# Altium PCB UZ_A_MAX11331_Adapter.PcbDoc (part 1 of 2)
Units mm, origin at the board's own origin, x right, y up, seen from the top; angles counter-clockwise.
Board outline 100 x 100 mm, 4 copper layers (Top Layer, GND, VCC, Bottom Layer), stack 1.587 mm thick; 150 components, 147 nets, 572 pads, 201 vias.
Unrouted connection lines stored in the file: 121.
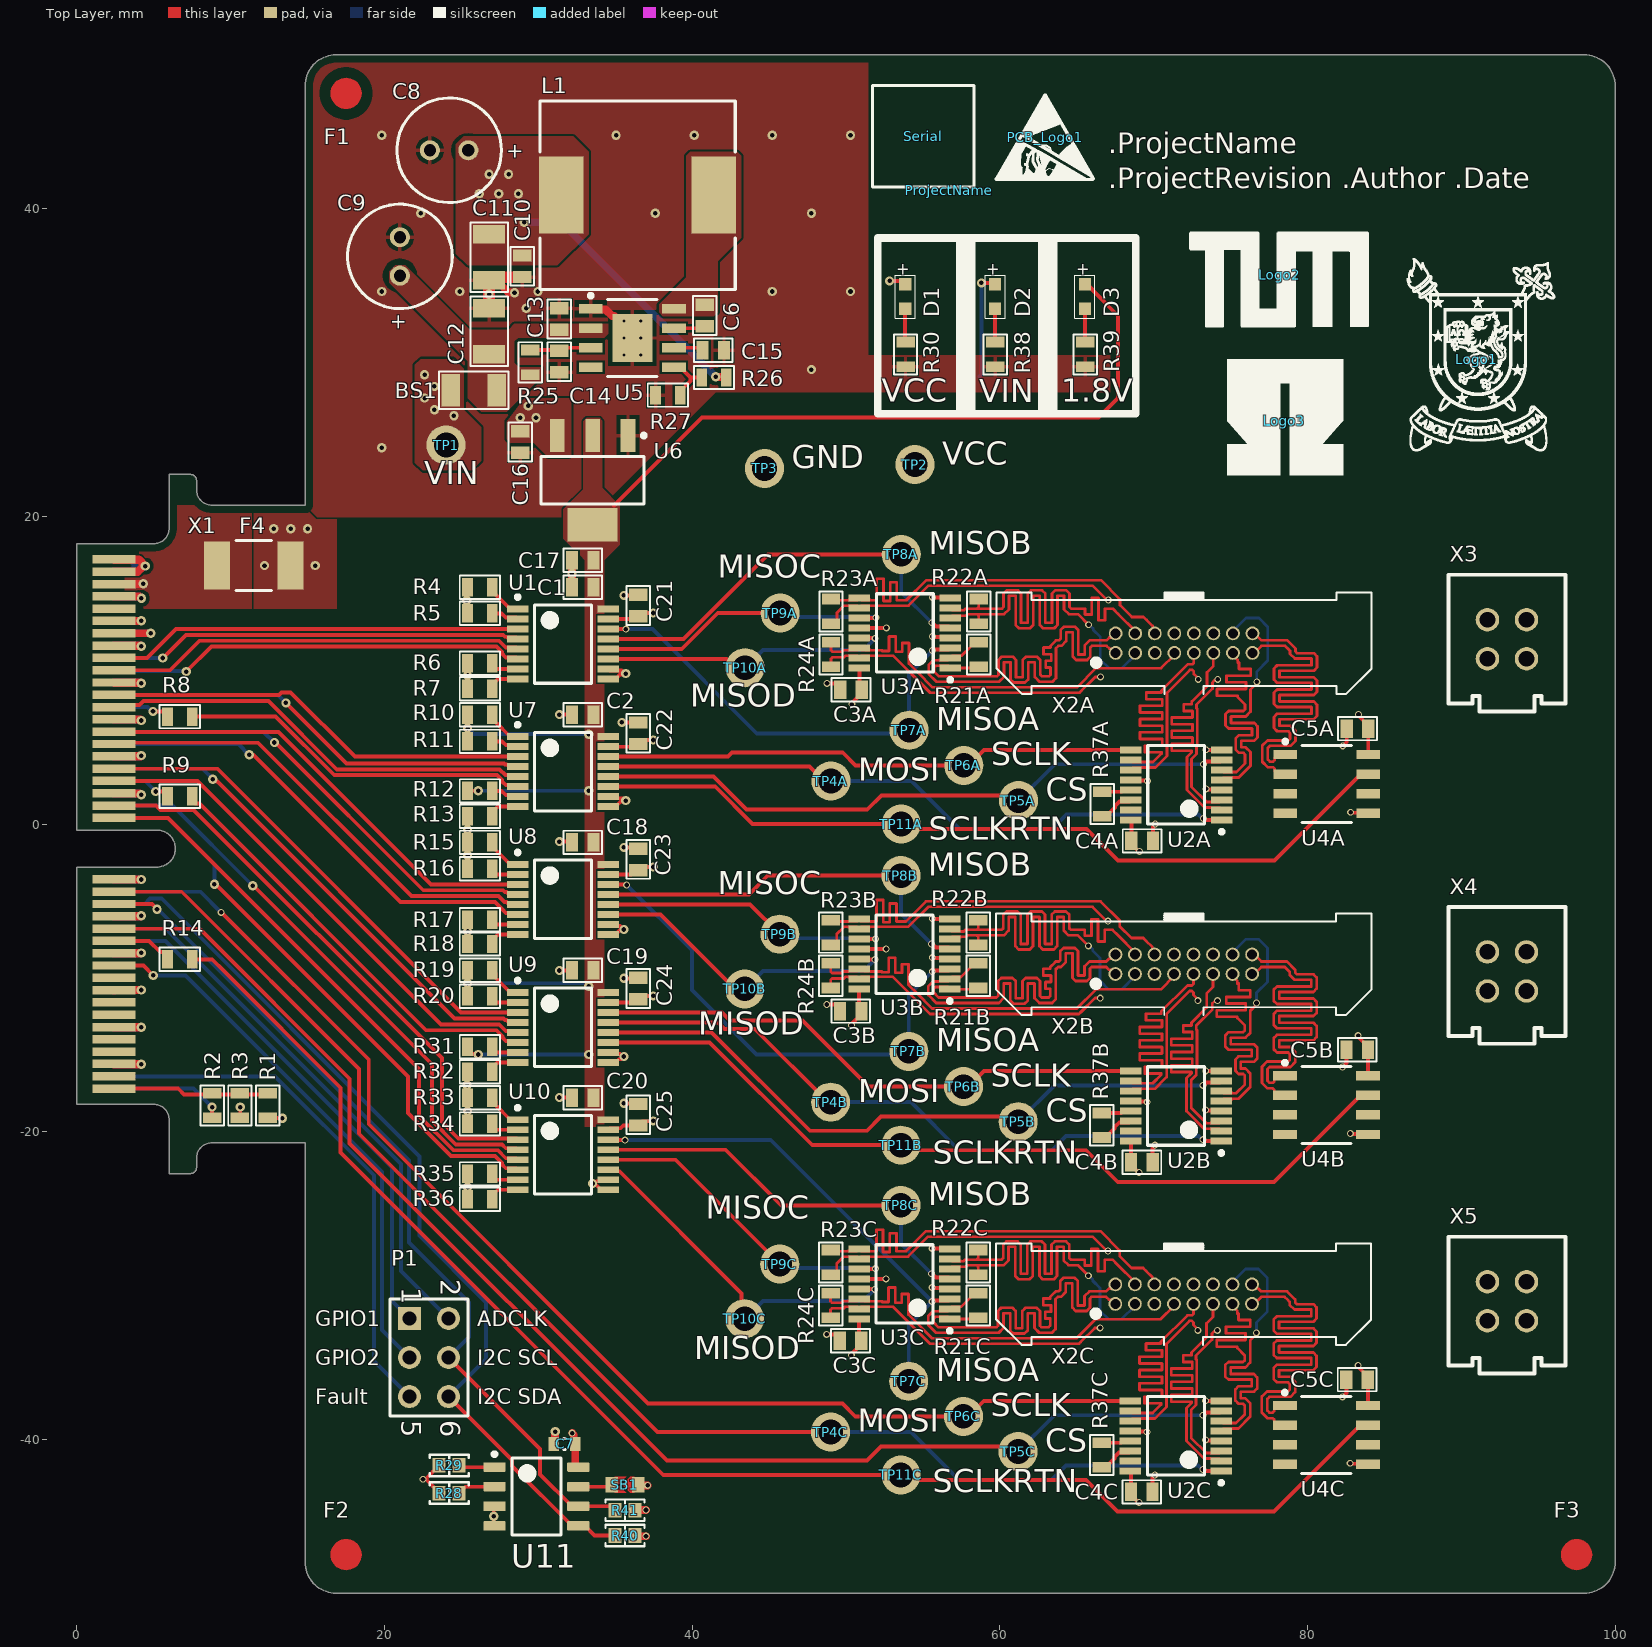
[diagram p0: Top Layer view]
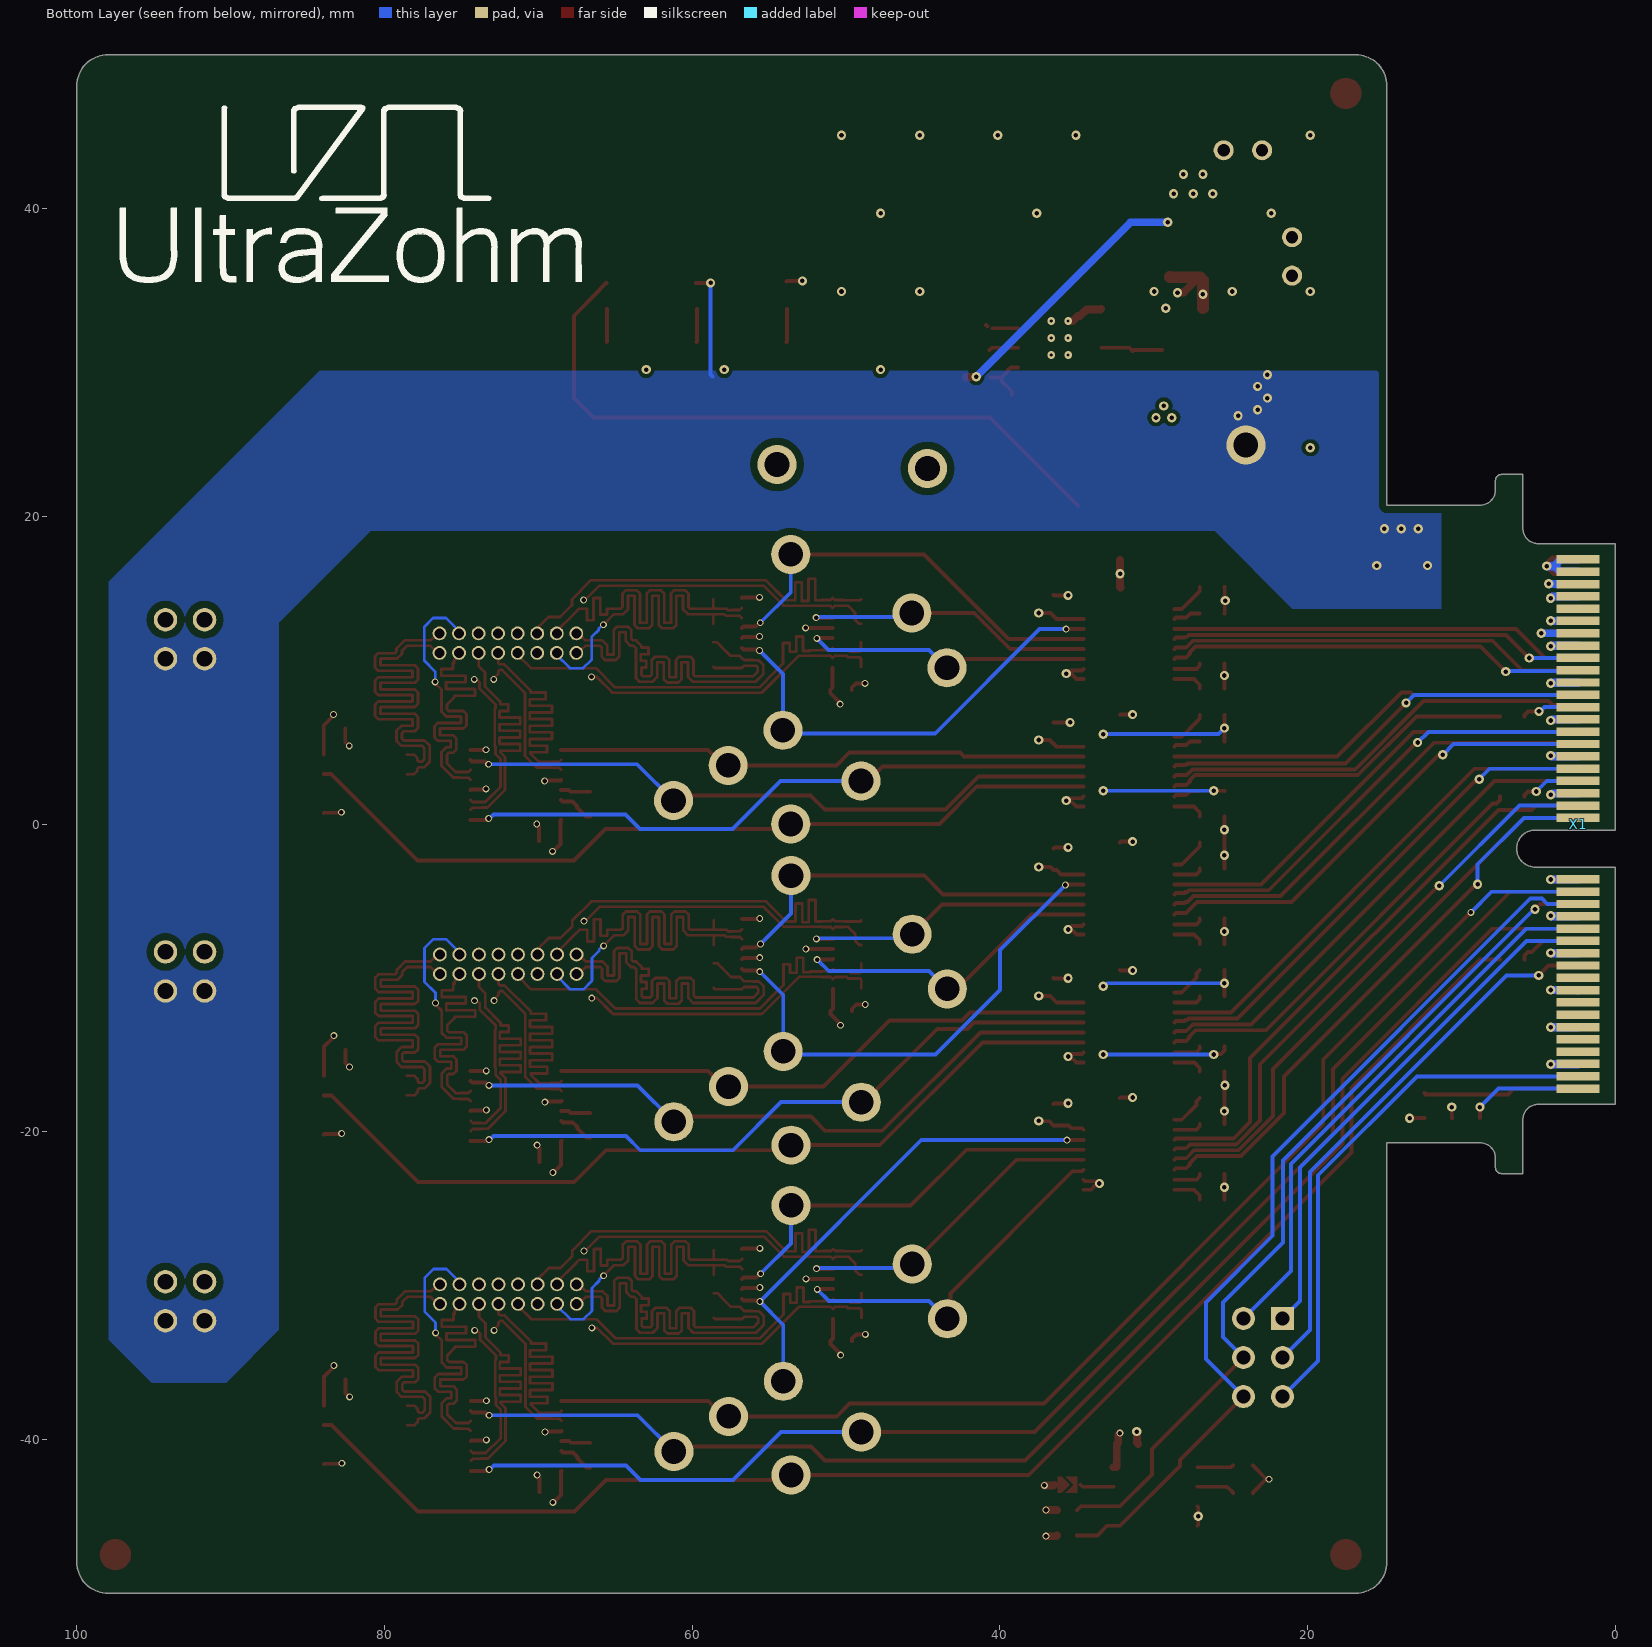
[diagram p1: Bottom Layer view, seen from below]
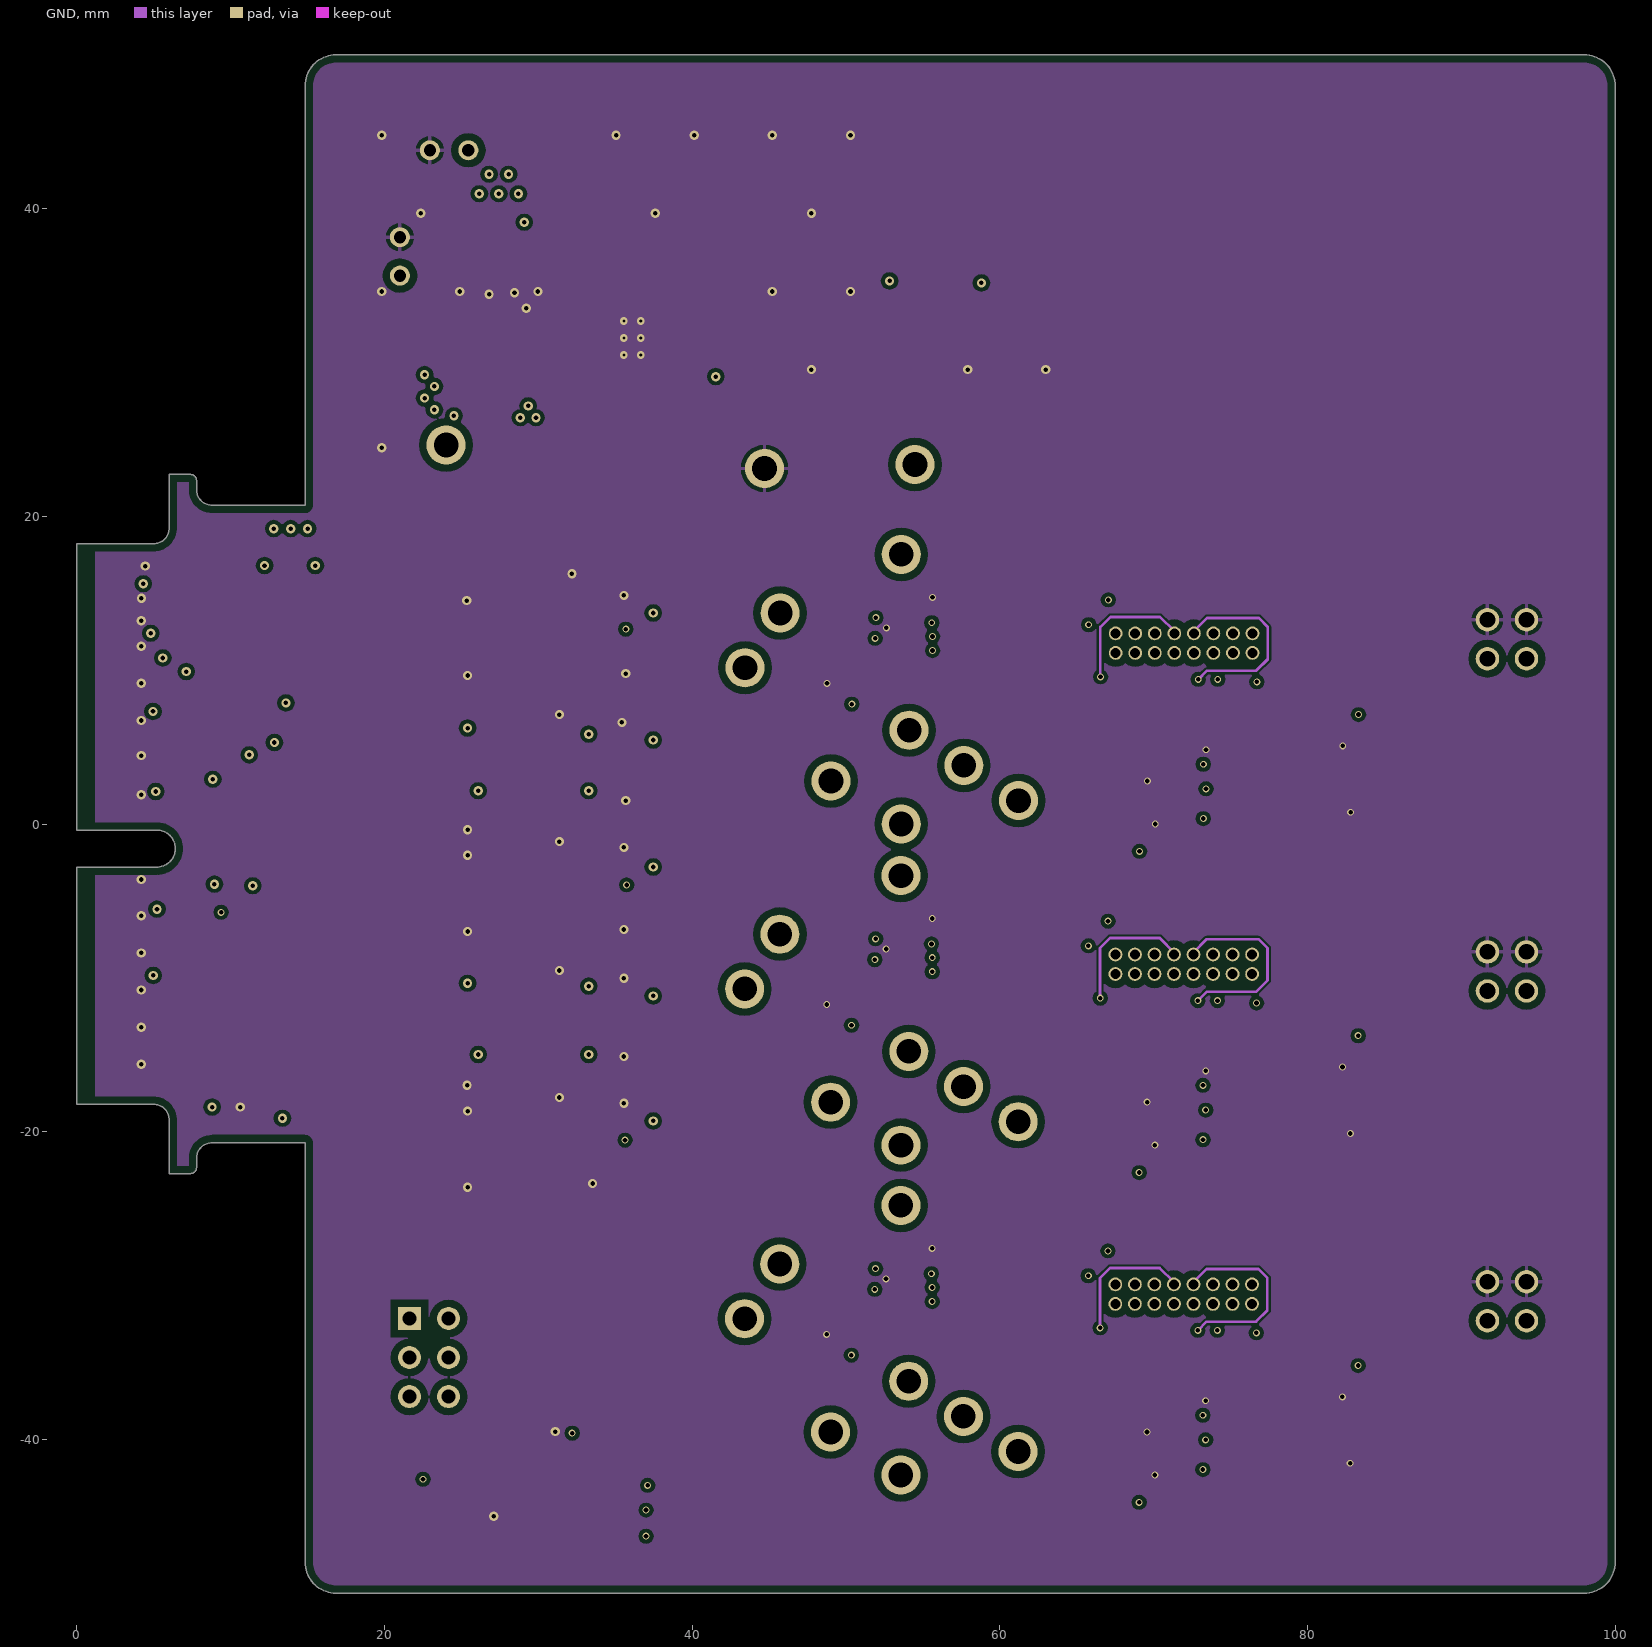
[diagram p2: GND]
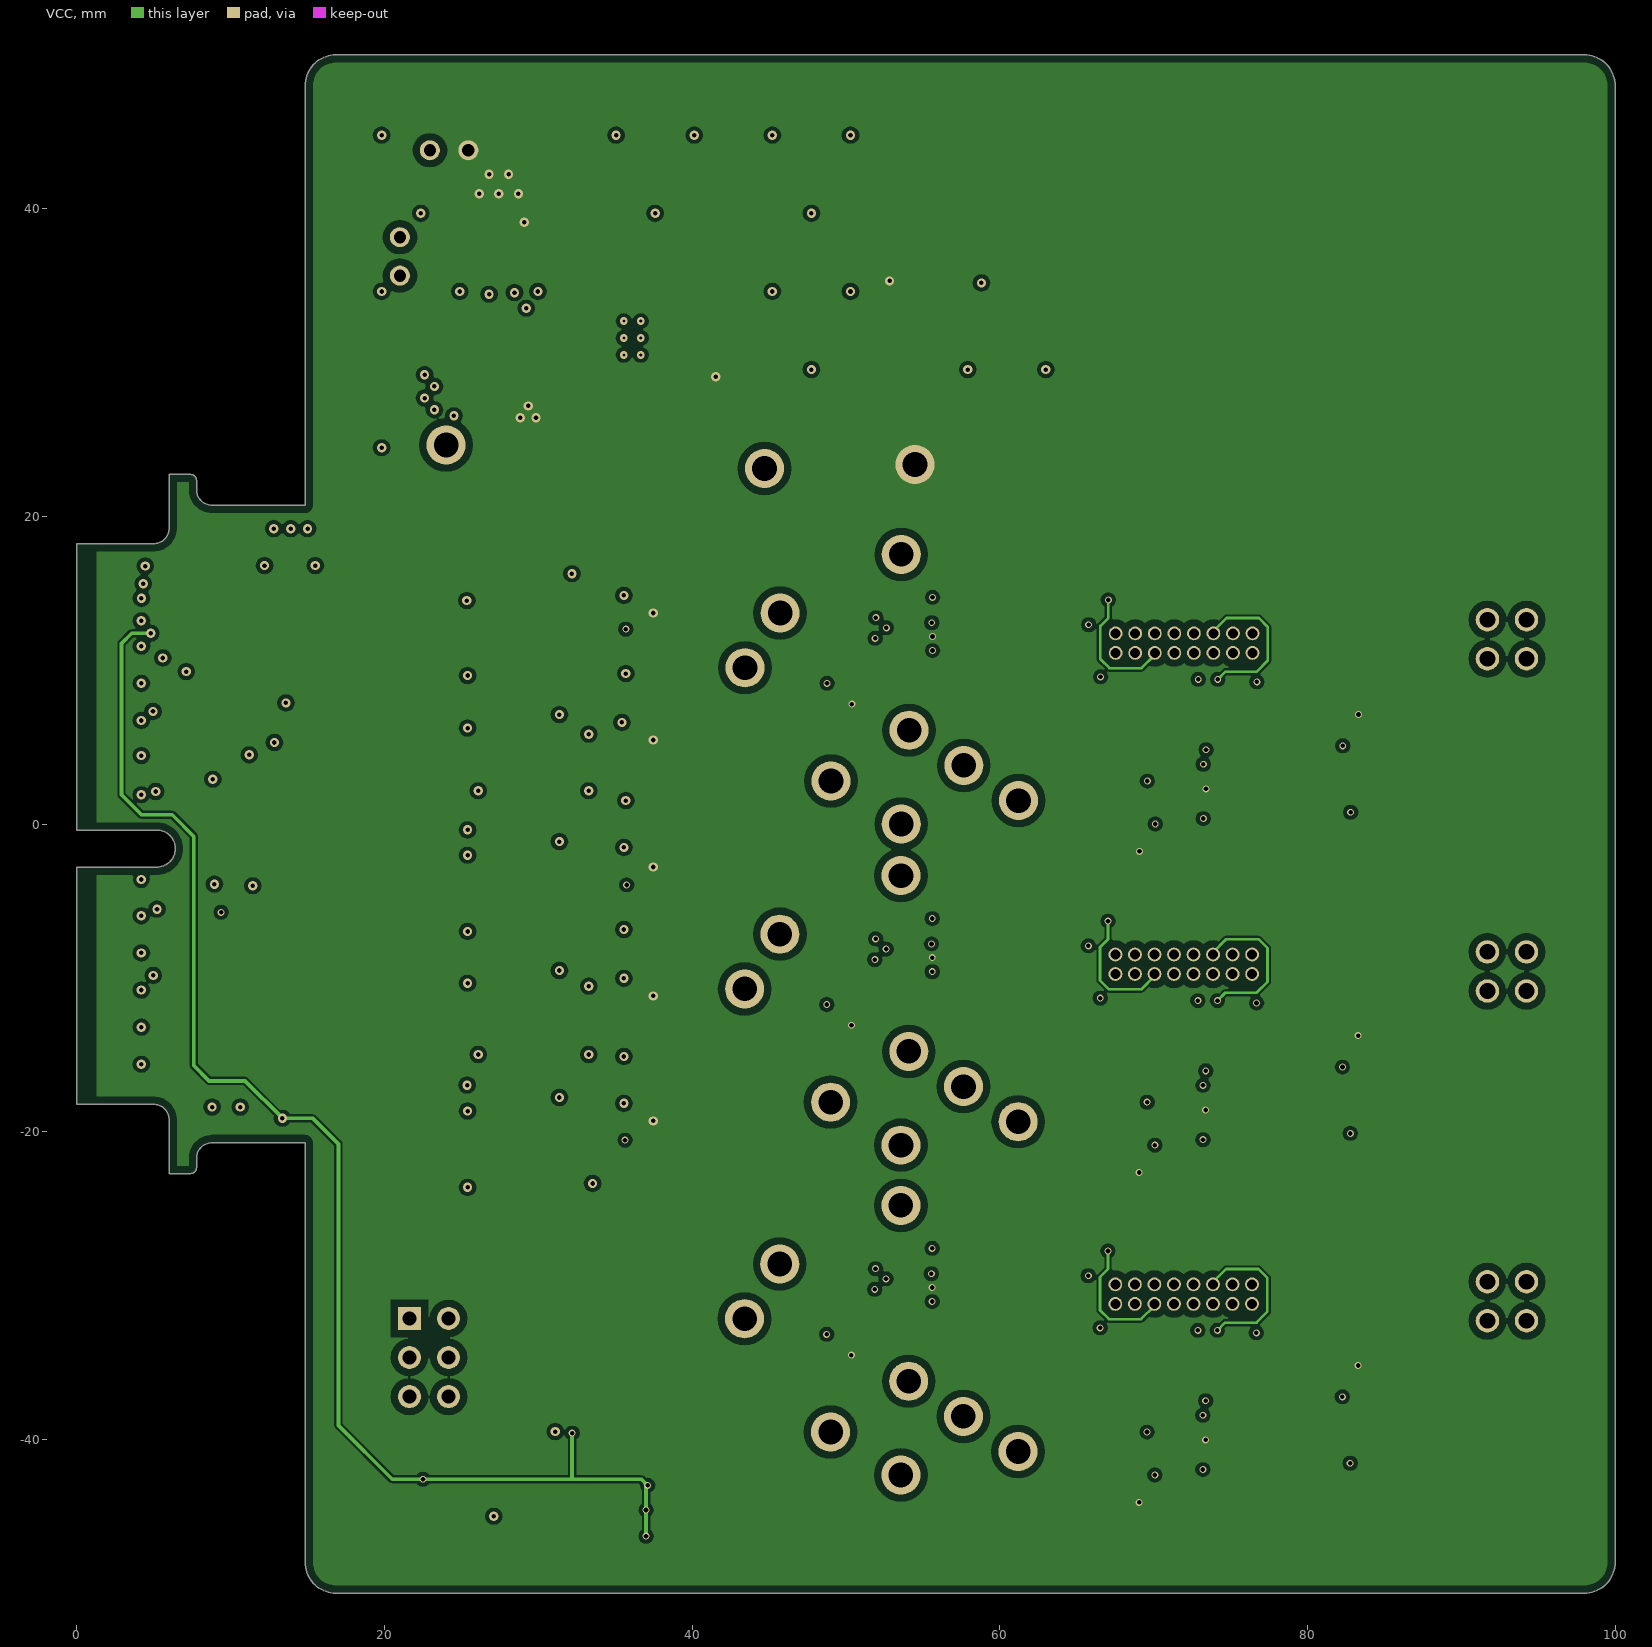
[diagram p3: VCC]
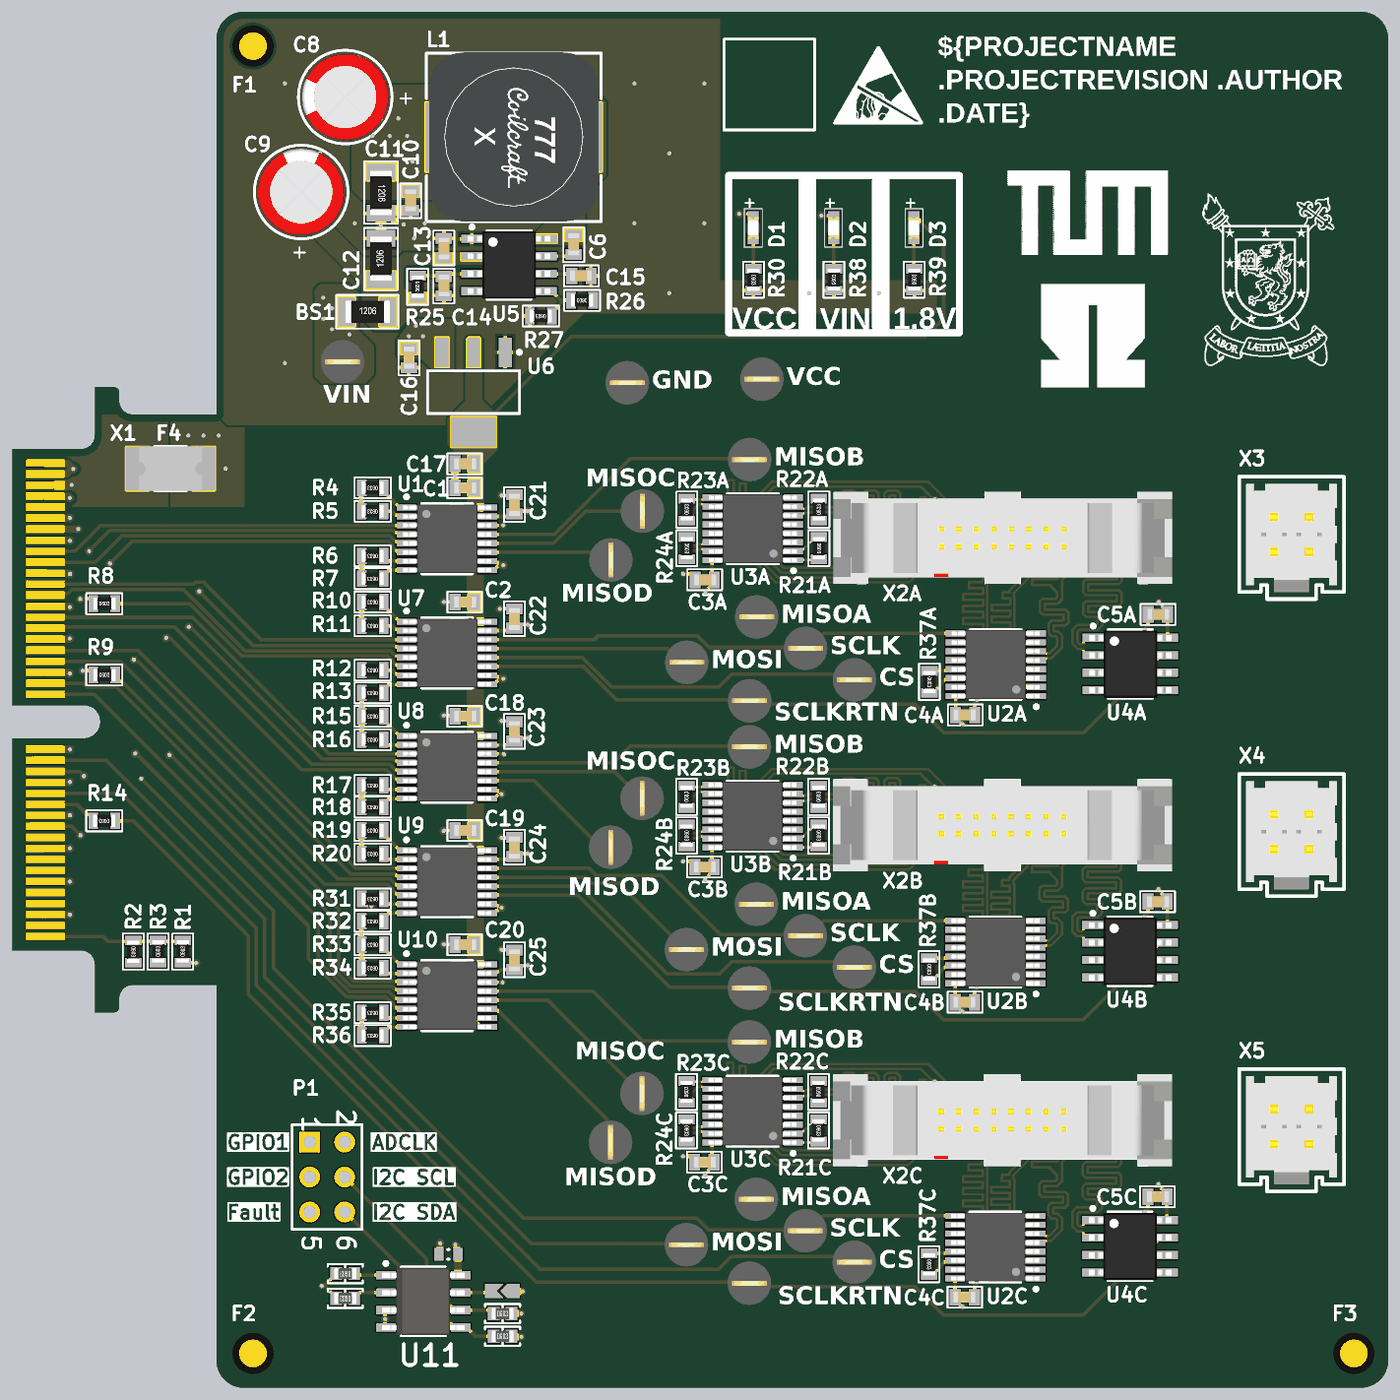
[diagram p5: 3D render of the assembled board from above, using the file's embedded part models]

## Layer stack, top to bottom
Top Solder: solder mask 0.0102, Solder Resist, Dk 3.5
Top Layer: signal copper 0.035
Dielectric 2: prepreg 0.2083, PP-022, Dk 4.5
GND: signal copper 0.035
Dielectric 1: dielectric 1.03, FR-4, Dk 4.8
VCC: signal copper 0.035
Dielectric 3: prepreg 0.2083, PP-022, Dk 4.5
Bottom Layer: signal copper 0.035
Bottom Solder: solder mask 0.0102, Solder Resist, Dk 3.5

## Board outline
0,-18.225 5,-18.225 cw(c5,-19.225) 6,-19.225 6,-22.725 7.38,-22.725 ccw(c7.38,-22.325) 7.78,-22.325 7.78,-21.725 cw(c8.78,-21.725) 8.78,-20.725 14.84,-20.725 14.84,-48 ccw(c16.84,-48) 16.84,-50 98,-50 ccw(c98,-48) 100,-48 100,48 ccw(c98,48) 98,50 16.84,50 ccw(c16.84,48) 14.84,48 14.84,20.725 8.78,20.725 cw(c8.78,21.725) 7.78,21.725 7.78,22.325 ccw(c7.38,22.325) 7.38,22.725 6,22.725 6,19.225 cw(c5,19.225) 5,18.225 0,18.225 0,-0.4 5.2,-0.4 cw(c5.2,-1.6) 5.2,-2.8 0,-2.8

## Design rules (kind name [scope] priority, off if disabled: settings)
BoardOutlineClearance [All] p1: gap=0.508 ignorepadtopadclearanceinfootprint=FALSE except(0: Arc-SplitContinuation Track-SplitContinuation SMDPad-SplitContinuation THPad-SplitContinuation Via-SplitContinuation Fill-SplitContinuation Poly-SplitContinuation Region-SplitContinuation Text-OutlineEdge Text-CavityEdge Text-CutoutEdge Text-SplitBarrior Text-SplitContinuation)
Clearance [All] p1: gap=0.127 ignorepadtopadclearanceinfootprint=TRUE except(0: Arc-Text Track-Text SMDPad-Text THPad-Text Via-Text Fill-Text Poly-Text Region-Text Text-Text; 0.152: SMDPad-SMDPad; 0.254: Arc-Via Track-Via SMDPad-Via Via-Via Via-Fill Via-Poly Via-Region; 0.457: Arc-THPad Track-THPad SMDPad-THPad THPad-THPad THPad-Via THPad-Fill THPad-Poly THPad-Region THPad-Hole Via-Hole)
DiffPairsRouting [All] p1: maxlimit=0.254 minlimit=0.127 mostfreqgap=0.178 toplayer_minwidth=0.127 toplayer_maxwidth=0.381 toplayer_prefwidth=0.178 midlayer1_minwidth=0.127 midlayer1_maxwidth=0.381 midlayer1_prefwidth=0.178 midlayer2_minwidth=0.127 midlayer2_maxwidth=0.381 midlayer2_prefwidth=0.178 bottomlayer_minwidth=0.127 bottomlayer_maxwidth=0.381 bottomlayer_prefwidth=0.178 maxuncoupledlength=12.7
HoleSize [All] p1: absolutevalues=TRUE maxlimit=6.3 minlimit=0.2 maxpercent=80.000 minpercent=20.000
HoleToHoleClearance [All] p1: gap=0.5 allowstackedmicrovias=TRUE
MatchedLengths MatchedLengths_Diff_within [InNetClass('Match')] p1: tolerance=1.397 checknetsindiffpair=TRUE checkdiffpairvsdiffpair=FALSE checkxsignals=FALSE checkothers=FALSE
MatchedLengths MatchedLengths_Diff [InNetClass('Match')] p2: tolerance=3.81 checknetsindiffpair=FALSE checkdiffpairvsdiffpair=TRUE checkxsignals=TRUE checkothers=TRUE
MatchedLengths MatchedLengths_Diff_Rtn_within [InNetClass('All Nets')] p3: tolerance=1.397 checknetsindiffpair=TRUE checkdiffpairvsdiffpair=FALSE checkxsignals=FALSE checkothers=FALSE
MatchedLengths MatchedLengths_Diff_Rtn [InNetClass('Match_Rtrn')] p4: tolerance=3.81 checknetsindiffpair=FALSE checkdiffpairvsdiffpair=TRUE checkxsignals=TRUE checkothers=TRUE
MinimumAnnularRing [All] p1: minimumring=0.074
MinimumSolderMaskSliver [All] p1: minsoldermaskwidth=0.145
PlaneClearance [All] p1: clearance=0.254
PolygonConnect PolygonConnect_gnd [InNet('GND')] p1: thpad.connectstyle=Relief thpad.reliefconductorwidth=0.254 thpad.reliefentries=4 thpad.polygonreliefangle="90 Angle" thpad.airgapwidth=0.254 smdpad.connectstyle=Relief smdpad.reliefconductorwidth=0.254 smdpad.reliefentries=4 smdpad.polygonreliefangle="90 Angle" smdpad.airgapwidth=0.254 via.connectstyle=Direct via.reliefconductorwidth=0.254 via.reliefentries=4 via.polygonreliefangle="90 Angle" via.airgapwidth=0.254
PolygonConnect [All] p2: connectstyle=Direct reliefconductorwidth=0.254 reliefentries=4 polygonreliefangle="90 Angle" airgapwidth=0.254
RoomDefinition LVDS2 [InComponentClass('LVDS2')] p1: confinementstyle=ConfineIn formatcopy=TRUE lockcomponents=FALSE outline 41.636,-23.521 85.324,-23.521 85.324,-1.727 41.636,-1.727
RoomDefinition "Power Supply" [InComponentClass('Power Supply')] p2: confinementstyle=ConfineIn formatcopy=TRUE lockcomponents=FALSE outline 17.246,32.153 17.246,40.654 20.446,40.654 20.446,47.554 28.947,47.554 28.947,47.423 43.228,47.423 43.228,36.771 67,36.771 66.461,32.165 66.646,32.165 66.646,28.889 56.324,28.889 56.324,21.452 46.545,21.452 46.545,21.198 37.407,21.198 37.407,17.823 34.481,17.823 34.481,16.053 31.281,16.053 31.281,17.823 29.649,17.823 29.649,22.722 22.162,22.722 22.162,32.153
RoomDefinition LVDS3 [InComponentClass('LVDS3')] p3: confinementstyle=ConfineIn formatcopy=TRUE lockcomponents=FALSE outline 41.631,-44.963 85.319,-44.963 85.319,-22.941 41.631,-22.941
RoomDefinition LVDS1 [InComponentClass('LVDS1')] p4: confinementstyle=ConfineIn formatcopy=TRUE lockcomponents=FALSE outline 41.656,-2.642 85.344,-2.642 85.344,19.38 41.656,19.38
RoutingVias [All] p1: holewidth=0.3 width=0.6 viastyle="Through Hole" minholewidth=0.2 minwidth=0.45 maxholewidth=0.5 maxwidth=1
SilkToSilkClearance [All] p1: silktosilkclearance=0
SilkToSolderMaskClearance [IsPad] p1: minsilkscreentomaskgap=0.05 clearancetoexposedcopper=TRUE
SolderMaskExpansion [All] p1: expansion=0.102 istentingtop=FALSE
SupplyNets "Schematic Supply Nets_5" [InNet('3.3V')] p1: voltage=0.000
SupplyNets "Schematic Supply Nets_4" [InNet('VIN_unfused')] p2: voltage=0.000
SupplyNets "Schematic Supply Nets_3" [InNet('VCC')] p3: voltage=0.000
SupplyNets "Schematic Supply Nets_2" [InNet('GND')] p4: voltage=0.000
SupplyNets "Schematic Supply Nets_1" [InNet('VIN')] p5: voltage=0.000
SupplyNets "Schematic Supply Nets" [InNet('1.8V')] p6: voltage=0.000
Width [All] p1: maxlimit=0.762 minlimit=0.127 preferedwidth=0.254
23 further rules are at their usual default settings.

## Classes and differential pairs
net class SPI_C: CS3 MOSI3 SCLK3 SCLKRTN3
net class Match: CSA_N CSA_P CSB_N CSB_P CSC_N CSC_P MOSIA_N MOSIA_P MOSIB_N MOSIB_P MOSIC_N MOSIC_P SCLKA_N SCLKA_P SCLKB_N SCLKB_P SCLKC_N SCLKC_P
net class Match_Rtrn: MISOAA_N MISOAA_P MISOAB_N MISOAB_P MISOAC_N MISOAC_P MISOBA_N MISOBA_P MISOBB_N MISOBB_P MISOBC_N MISOBC_P MISOCA_N MISOCA_P MISOCB_N MISOCB_P MISOCC_N MISOCC_P MISODA_N MISODA_P MISODB_N MISODB_P MISODC_N MISODC_P SCLKRTNA_N SCLKRTNA_P SCLKRTNB_N SCLKRTNB_P SCLKRTNC_N SCLKRTNC_P
channel class SPI_LVDS: LVDS1 LVDS2 LVDS3
component class "Power Supply": BS1 C6 C8 C9 C10 C11 C12 C13 C14 C15 C16 C17 D1 D2 D3 L1 R25 R26 R27 R30 R38 R39 TP1 TP2 TP3 U5 U6
component class LVDS3: C3C C4C C5C R21C R22C R23C R24C R37C TP4C TP5C TP6C TP7C TP8C TP9C TP10C TP11C U2C U3C U4C X2C
component class LVDS2: C3B C4B C5B R21B R22B R23B R24B R37B TP4B TP5B TP6B TP7B TP8B TP9B TP10B TP11B U2B U3B U4B X2B
component class LVDS1: C3A C4A C5A R21A R22A R23A R24A R37A TP4A TP5A TP6A TP7A TP8A TP9A TP10A TP11A U2A U3A U4A X2A
differential pair SCLKRTNC: +SCLKRTNC_P -SCLKRTNC_N
differential pair SCLKRTNB: +SCLKRTNB_P -SCLKRTNB_N
differential pair SCLKRTNA: +SCLKRTNA_P -SCLKRTNA_N
differential pair SCLKC: +SCLKC_P -SCLKC_N
differential pair SCLKB: +SCLKB_P -SCLKB_N
differential pair SCLKA: +SCLKA_P -SCLKA_N
differential pair MOSIC: +MOSIC_P -MOSIC_N
differential pair MOSIB: +MOSIB_P -MOSIB_N
differential pair MOSIA: +MOSIA_P -MOSIA_N
differential pair MISODC: +MISODC_P -MISODC_N
differential pair MISODB: +MISODB_P -MISODB_N
differential pair MISODA: +MISODA_P -MISODA_N
differential pair MISOCC: +MISOCC_P -MISOCC_N
differential pair MISOCB: +MISOCB_P -MISOCB_N
differential pair MISOCA: +MISOCA_P -MISOCA_N
differential pair MISOBC: +MISOBC_P -MISOBC_N
differential pair MISOBB: +MISOBB_P -MISOBB_N
differential pair MISOBA: +MISOBA_P -MISOBA_N
differential pair MISOAC: +MISOAC_P -MISOAC_N
differential pair MISOAB: +MISOAB_P -MISOAB_N
differential pair MISOAA: +MISOAA_P -MISOAA_N
differential pair CSC: +CSC_P -CSC_N
differential pair CSB: +CSB_P -CSB_N
differential pair CSA: +CSA_P -CSA_N
